# Altium PCB TinyHawk_PCB.PcbDoc (part 1 of 6) (continued)
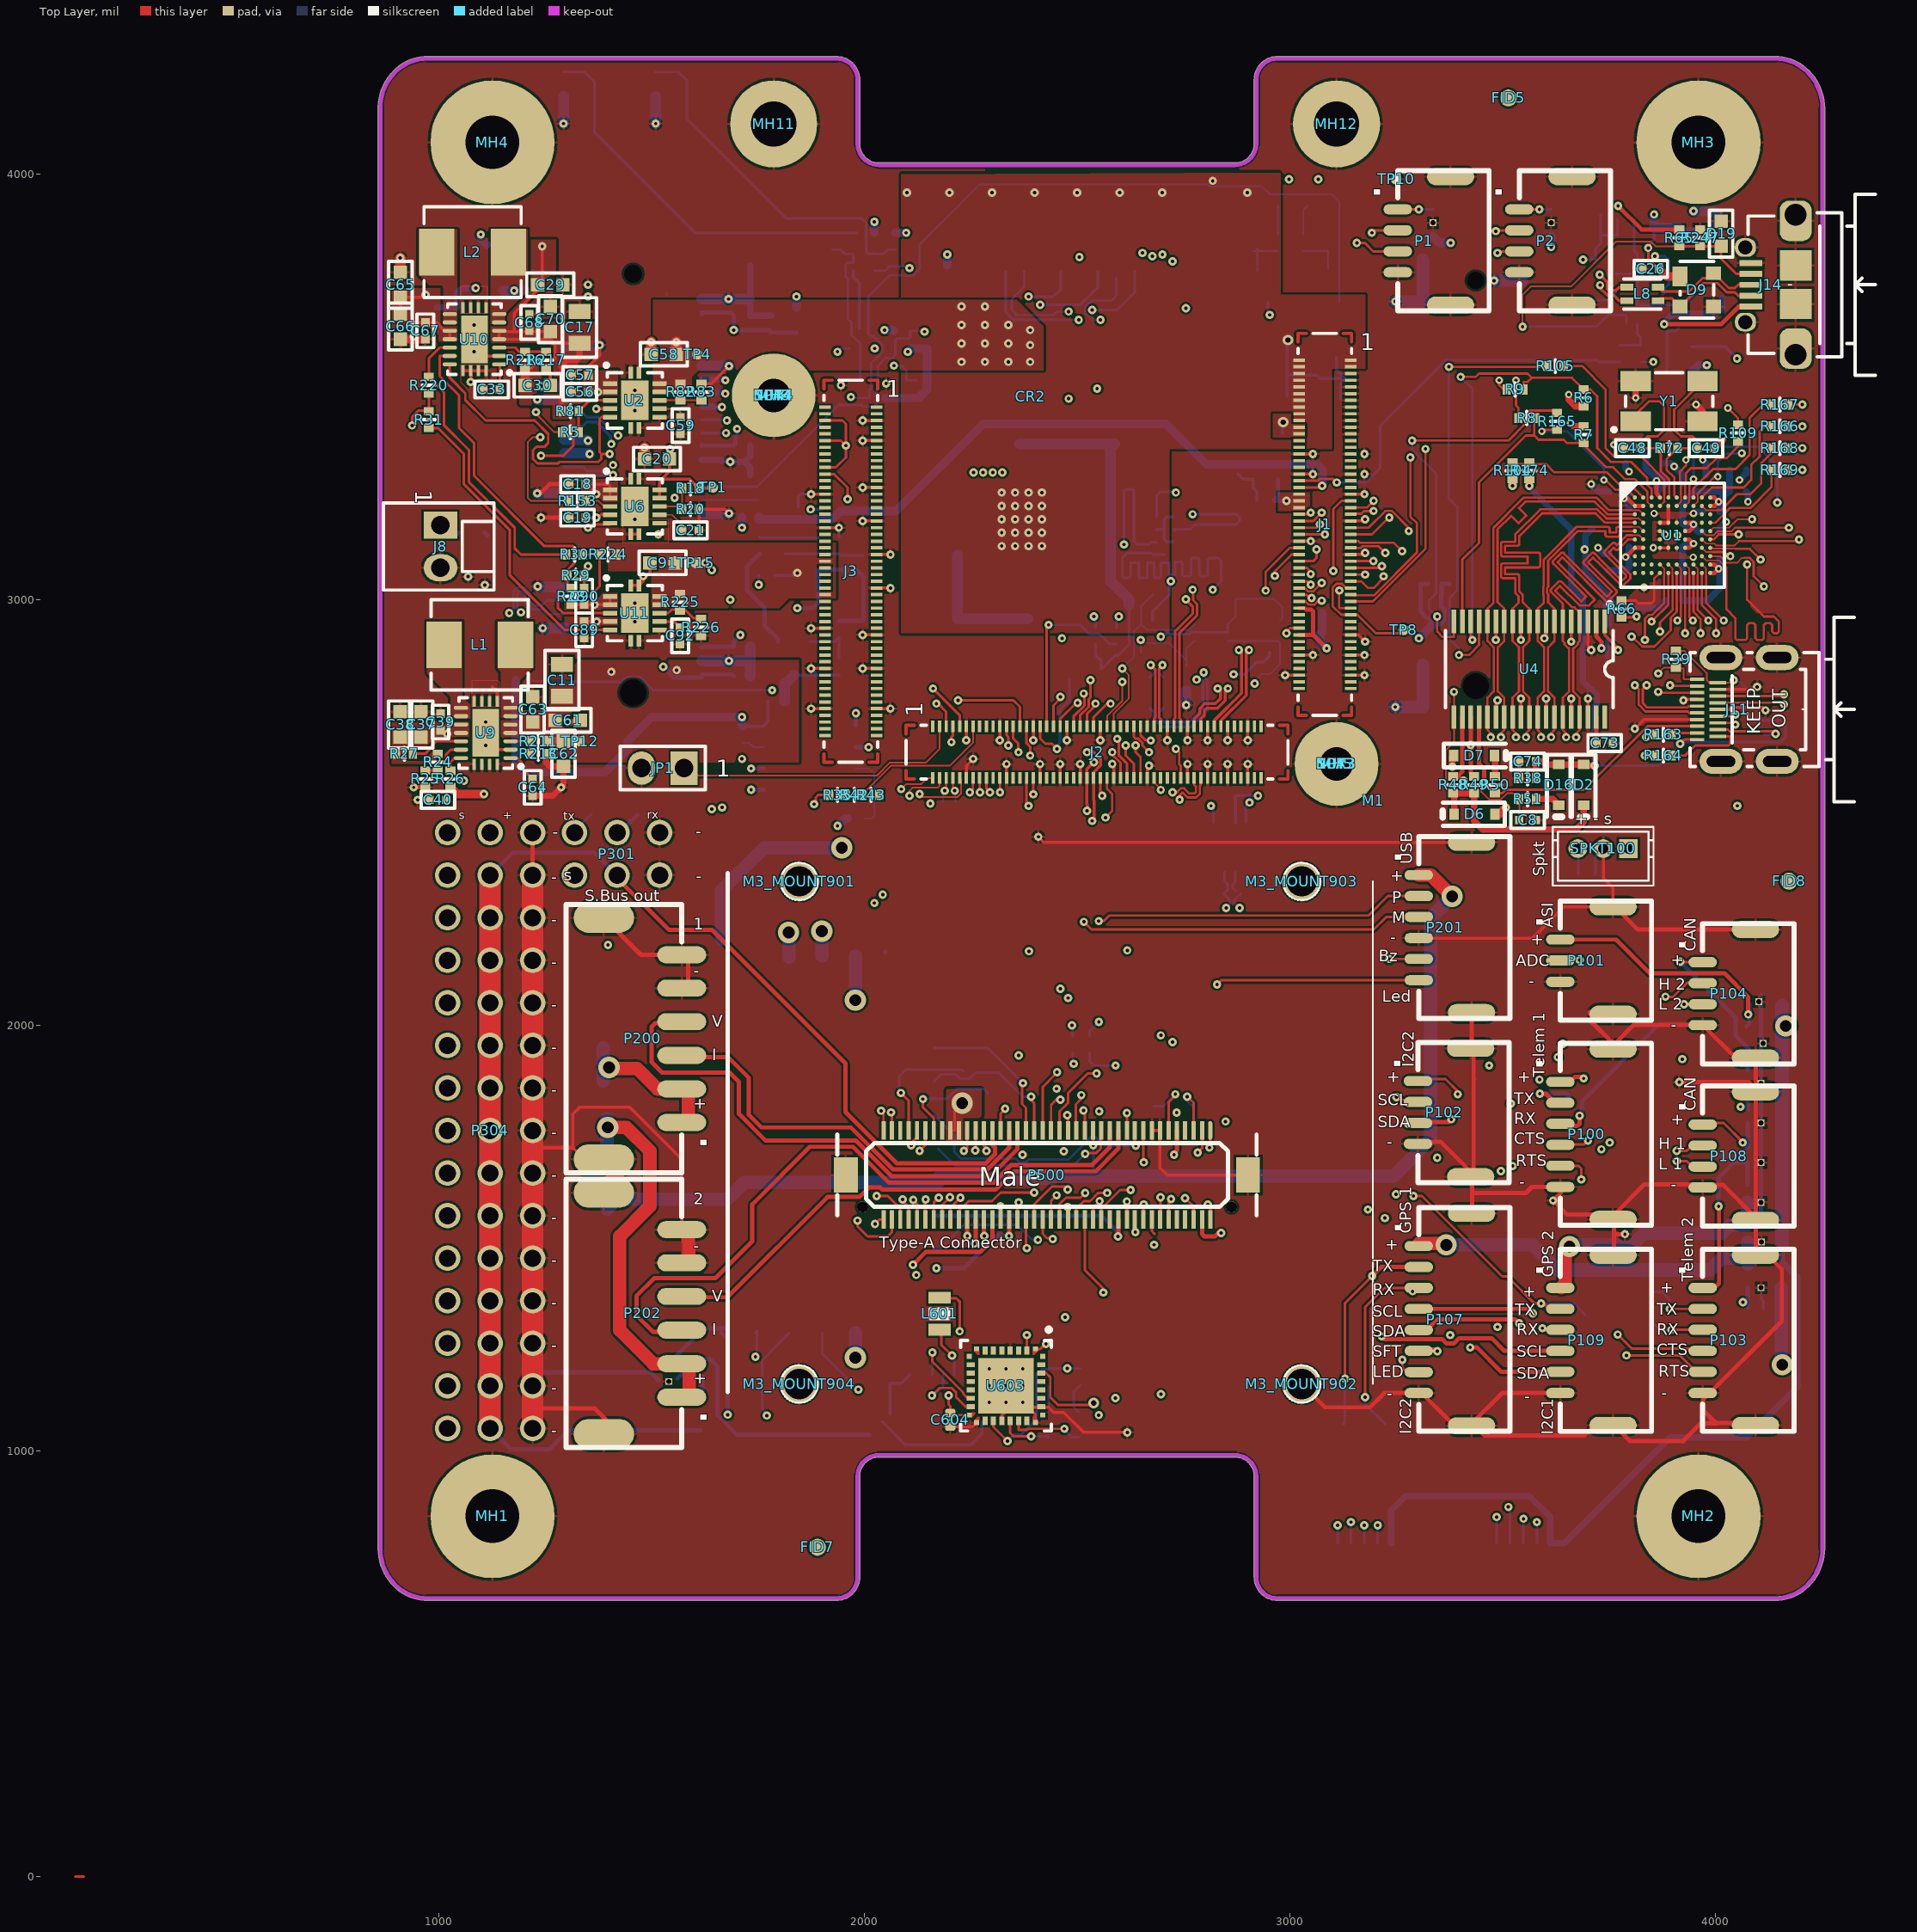
[diagram p0: Top Layer view]
## Components (designator, comment, footprint, x,y, rotation, side; value= is the part's Value field where it differs from the comment) (continued)
ADC_PR "PAD.04" PAD.04X.04 3692.91,2157.48 r0 bottom
C1 "22u" C0603 2964.57,3527.56 r180 bottom
C2 "22u" C0603 3159.45,3519.69 r0 bottom
C3 "22u" C0603 3070.87,3490.16 r270 bottom
C4 "100n" C0402 3139.76,3470.47 r0 bottom
C5 "100n" C0402 3090.55,3568.9 r180 bottom
C6 "100n" C0402 2974.41,3478.35 r180 bottom
C7 "100n" C0402 2974.41,3576.77 r180 bottom
C8 "100n" C0402 3559.06,2482.28 r0 top
C10 "10u" C0603 1112.2,3116.14 r270 bottom
C11 "47u" C0805 1289.37,2811.02 r90 top
C12 "100n" C0402 2962.6,3391.73 r180 bottom
C13 "100n" C0402 2942.91,3234.25 r180 bottom
C14 "100n" C0402 1771.65,3057.09 r180 bottom
C15 "100n" C0402 3090.55,2919.29 r0 bottom
C16 "22u" C0603 3106.14,2969.1 r0 bottom
C17 "47u" C0805 1330.71,3639.76 r90 top
C18 "1u" C0402 1325.79,3271.65 r180 top
C19 "4u7" C0402 1325.79,3192.91 r180 top
C20 "10u" C0603 1512.8,3330.71 r180 top
C21 "2700pF" C0402 1591.54,3163.39 r0 top
C26 "100n" C0402 3848.43,3777.56 r180 top
C29 "22u" C0603 1261.81,3740.16 r0 top
C30 "22u" C0603 1232.28,3503.94 r0 top
C33 "100n" C0402 1124.02,3494.09 r180 top
C37 "22u" C0603 958.35,2707.02 r90 top
C38 "22u" C0603 909.13,2707.02 r90 top
C39 "2u2" C0402 1003.94,2712.6 r90 top
C40 "2u2" C0402 997.72,2529.85 r180 top
C41 "100n" C0402 4053.15,3253.94 r180 bottom
C42 "100n" C0402 3903.54,3226.38 r0 bottom
C43 "100n" C0402 3903.54,3179.13 r0 bottom
C44 "100n" C0402 3978.35,3273.62 r270 bottom
C45 "220pF" C0402 3990.16,3206.69 r180 bottom
C46 "220pF" C0402 3990.16,3159.45 r0 bottom
C47 "220pF" C0402 3990.16,3096.46 r180 bottom
C48 "15pF" C0402 3805.12,3356.3 r180 top
C49 "15pF" C0402 3978.35,3356.3 r0 top
C50 "220pF" C0402 3903.54,3124.02 r180 bottom
C51 "220pF" C0402 3903.54,3273.62 r0 bottom
C52 "100n" C0402 3990.16,3049.21 r0 bottom
C53 "100n" C0402 3903.54,3084.65 r0 bottom
C54 "100n" C0402 3903.54,3045.28 r0 bottom
C55 "100n" C0402 3816.93,3068.9 r180 bottom
C56 "1u" C0402 1331.69,3488.19 r180 top
C57 "4u7" C0402 1331.69,3527.56 r180 top
C58 "10u" C0603 1528.54,3576.77 r180 top
C59 "2700pF" C0402 1567.91,3409.45 r270 top
C60 "10u" C0603 1171.26,3805.12 r90 bottom
C61 "22u" C0603 1302.83,2716.86 r0 top
C62 "22u" C0603 1292.99,2638.12 r270 top
C63 "22u" C0603 1220.47,2742.13 r90 top
C64 "100n" C0402 1220.47,2559.06 r270 top
C65 "22u" C0603 909.45,3740.16 r90 top
C66 "22u" C0603 909.45,3641.73 r270 top
C67 "2u2" C0402 968.5,3631.89 r270 top
C68 "2u2" C0402 1212.6,3651.57 r90 top
C69 "100n" C0402 1220.47,3795.28 r90 bottom
C70 "22u" C0603 1261.81,3659.45 r90 top
C71 "100n" C0402 3785.43,2844.49 r270 bottom
C72 "100n" C0402 3746.06,2844.49 r270 bottom
C73 "100n" C0402 3740.16,2663.39 r0 top
C74 "100n" C0402 3559.06,2620.08 r180 top
C79 "100n" C0402 1071.9,3118.11 r270 bottom
C89 "1u" C0402 1341.54,2929.13 r270 top
C90 "4u7" C0402 1341.54,3007.87 r90 top
C91 "10u" C0603 1525.59,3086.61 r180 top
C92 "2700pF" C0402 1566.93,2915.35 r270 top
C106 "22u" C0805 4015.75,3746.06 r90 bottom
C158 "100n" C0402 2194.88,3765.75 r270 bottom
C171 "100n" C0402 2068.9,3651.57 r90 bottom
C176 "100n" C0402 2007.87,3637.8 r180 bottom
C177 "100n" C0402 3816.93,3124.02 r180 bottom
C183 "220pF" C0402 3816.93,3214.57 r0 bottom
C184 "220pF" C0402 3816.93,3261.81 r0 bottom
C185 "10u" C0603 3773.62,3013.78 r0 bottom
C187 "100n" C0402 3816.93,3167.32 r180 bottom
C188 "100n" C0402 3750,3234.25 r270 bottom
C190 "100n" C0402 3856.3,3320.87 r180 bottom
C198 "100n" C0402 1974.41,3793.31 r270 bottom
C200 "100n" C0402 2072.83,3763.78 r270 bottom
C203 "100n" C0402 1793.31,2761.81 r0 bottom
C230 "100n" C0402 3765.75,3785.43 r270 bottom
C231 "22u" C0603 2942.91,3283.46 r180 bottom
C232 "22u" C0603 1874.17,3217.91 r180 bottom
C257 "330u" C2917 1053.15,3559.06 r180 bottom
C258 "330u" C2917 1053.15,3342.52 r180 bottom
C259 "100n" C0402 1712.6,3667.32 r0 bottom
C260 "100n" C0402 1712.6,2889.76 r0 bottom
C261 "100n" C0402 1712.6,3362.2 r0 bottom
C262 "4u7" C0402 1781.5,3647.64 r90 bottom
C263 "4u7" C0402 1712.6,3785.43 r0 bottom
C264 "4u7" C0402 1712.6,2820.87 r0 bottom
C265 "100n" C0402 1712.6,3293.31 r0 bottom
C266 "100n" C0402 1200.79,3706.69 r90 bottom
C267 "100n" C0402 1151.57,3706.69 r90 bottom
C268 "100n" C0402 1712.6,3736.22 r0 bottom
C381 "22u" C0603 2440.94,3027.56 r0 bottom
C604 "0u1" 0402-CAP 2202,1073 r270 top
C605 "0u1" 0402-CAP 2356,1054 r90 bottom
C3004 "0u1" 0402-CAP 2854.33,2535.43 r180 bottom
CR1 "Mini PCIe Card" "MINI_PCIE_FULL CARD" 1456.69,3864.17 r0 bottom locked
CR2 "Micro SD Card" Micro_SD_card 2390.75,3477.36 r180 top
D1 "SS10P4-M3/86A" "TO-277A (SMPC)" 2342.52,2842.13 r0 bottom
D2 "BAT54HT1G" SOD323 3690.94,2564.96 r90 top
D4 "PGB1010603MR" C0603 2756.5,2814.96 r270 bottom
D5 "Red" LED_0603 2972.44,3956.69 r90 bottom
D6 "BAT54HT1G" SOD323 3434.28,2496.06 r0 top
D7 "BAT54HT1G" SOD323 3433.07,2633.86 r180 top
D8 "PGB1010603MR" C0603 2873.42,3031.5 r90 bottom
D9 "BGX50AE6327" SOT143 3956.69,3728.35 r0 top
D14 "Green" LED_0603 3041.34,3956.69 r90 bottom
D16 "BAT54HT1G" SOD323 3631.89,2564.96 r90 top
D19 "PGB1010603MR" C0603 4013.78,3860.24 r90 top
D27 "RB751V-40-TP" SOD323 3718.5,3751.97 r90 bottom
D100 "DIODE-TVS" 0402-TVS 4094.49,1996.06 r0 bottom
D101 "DIODE-TVS" 0402-TVS 4093.46,1334.27 r0 bottom
D102 "DIODE-TVS" 0402-TVS 3697.79,2355.25 r0 bottom
D103 "DIODE-TVS" 0402-TVS 4093.46,1623.86 r0 bottom
D104 "DIODE-TVS" 0402-TVS 4093.46,1810.45 r0 bottom
D105 "DIODE-TVS" 0402-TVS 4094.49,1437.01 r0 bottom
D106 "DIODE-TVS" 0402-TVS 4094.49,1909.45 r0 bottom
D107 "DIODE-TVS" 0402-TVS 4093.46,1530.56 r0 bottom
D108 "DIODE-TVS" 0402-TVS 4093.46,1717.16 r0 bottom
D300 "MSS1P4-M3" MICROSMP 1615.63,1074 r270 bottom
D301 "DIODE-TVS" 0402-TVS 1619.63,1195 r90 bottom
D_RDY1 "PAD.04" PAD.04X.04 2680,1810 r180 bottom
FB3 "BLM15AX601SN1D" C0402 4053.15,3305.12 r180 bottom
FB4 "BLM15AX601SN1D" C0402 3903.54,2998.03 r180 bottom
FB5 "BLM15AX601SN1D" C0402 3750,3088.58 r270 bottom
FB6 "220R, 2.5A" C0603 3915.35,3535.43 r180 bottom
FB7 "220R, 2.5A" C0603 1112.2,3805.12 r270 bottom
FB8 "BLM15AX601SN1D" C0402 3730.31,3167.32 r180 bottom
FB9 "220R, 2.5A" C0603 1072.83,3687.01 r0 bottom
FB10 "220R, 2.5A" C0603 1840.55,3657.48 r90 bottom
FB11 "BLM15AX601SN1D" C0402 3789.37,3344.49 r90 bottom
FB12 "220R, 2.5A" C0603 3915.35,3594.49 r180 bottom
FB24 "MPZ1608S601A 600OHM/1A" C0603 3976.38,3864.17 r180 bottom
FID1 "FID_1MMC" FID_40X120D 4183.07,1068.9 r180 bottom
FID2 "FID_1MMC" FID_40X120D 1889.76,773.62 r90 bottom
FID3 "FID_1MMC" FID_40X120D 3513.78,4179.13 r90 bottom
FID4 "FID_1MMC" FID_40X120D 4173.23,2338.58 r90 bottom
FID5 "FID_1MMC" FID_40X120D 3513.78,4179.13 r90 top
FID6 "FID_1MMC" FID_40X120D 895.67,2555.12 r90 bottom
FID7 "FID_1MMC" FID_40X120D 1889.76,773.62 r90 top
FID8 "FID_1MMC" FID_40X120D 4173.23,2338.58 r90 top
J1 "DF40C-100DS-0.4V(51)" DF40C-100DS-0.4V(51)_V1.1 3082.28,3177.17 r0 top locked
J2 "DF40C-100DS-0.4V(51)" DF40C-100DS-0.4V(51)_V1.1 2546.85,2641.73 r90 top locked
J3 "DF40C-100DS-0.4V(51)" DF40C-100DS-0.4V(51)_V1.1 1968.11,3066.93 r0 top locked
J8 "0022112022" HDR_1x2_2.54MM_MOLEX_KK 1003.94,3175.2 r270 top
J11 "0467651001" Micro_HDMI 4212.6,2742.13 r90 top
J13 "MM60-52B1-E1-R650" MINI_PCIE_52PIN_CARD_CON 1456.69,2781.49 r0 bottom locked
J14 "USB MICRO AB" USB_Micro_AB 4188.98,3740.16 r180 top
J15 "693071010811" 693071010811 2563.98,3644.68 r180 bottom locked
J20 "MM60-EZH059-B5-R650" MINI_PCIE_52PIN_CARD_LATCH 3409.44,2667.32 r0 bottom
JP1 "HDR 1x2" HDR_1x2_2.54MM 1576.38,2604.33 r270 top
JP100 "HEADER_2MM_RA_SMD" HEADER_2MM_RA_2 3968.46,1962.45 r90 bottom
JP400 "FIDUCIAL1.5X3" FIDUCIAL-1.5X3 2251.97,2236.22 r180 bottom
JP401 "FIDUCIAL1.5X3" FIDUCIAL-1.5X3 2814.96,1324.8 r90 bottom
L1 "1u5" IHLP_204MILX216MIL 1096.14,2894.02 r0 top
L2 "1u5" IHLP_204MILX216MIL 1079.23,3816.93 r0 top
L4 "Kyocera KNH16C104DA5TS EMI filter" KYOCERA-KNH16-DA 3336.61,3885.83 r90 bottom
L6 "ACM2012-900-2P-T002" ACM2012 2687.01,2781.5 r90 bottom
L7 "Kyocera KNH16C104DA5TS EMI filter" KYOCERA-KNH16-DA 3614.17,3885.83 r90 bottom
L8 "ACM2012-900-2P-T002" ACM2012 3828.74,3718.5 r0 top
L100 "Kyocera KNH16C104DA5TS EMI filter" KYOCERA-KNH16-DA 4102.78,2055.45 r180 bottom
L101 "Kyocera KNH16C104DA5TS EMI filter" KYOCERA-KNH16-DA 4107.78,1383.27 r180 bottom
L102 "Kyocera KNH16C104DA5TS EMI filter" KYOCERA-KNH16-DA 4107.78,1677.25 r180 bottom
L103 "Kyocera KNH16C104DA5TS EMI filter" KYOCERA-KNH16-DA 4107.78,1863.85 r180 bottom
L104 "Kyocera KNH16C104DA5TS EMI filter" KYOCERA-KNH16-DA 4108.69,1490.66 r180 bottom
L105 "Kyocera KNH16C104DA5TS EMI filter" KYOCERA-KNH16-DA 4112.78,1957.15 r180 bottom
L106 "Kyocera KNH16C104DA5TS EMI filter" KYOCERA-KNH16-DA 4107.78,1770.55 r180 bottom
L107 "Kyocera KNH16C104DA5TS EMI filter" KYOCERA-KNH16-DA 4107.78,1583.96 r180 bottom
L300 "Kyocera KNH16C104DA5TS EMI filter" KYOCERA-KNH16-DA 1540.63,1163 r90 bottom
L601 "" 0805-IND 2177,1322 r90 top
LED600 "BLUE" 0603-LED-BLUE 2503,1062 r90 bottom
LED601 "BLUE" 0603-LED-BLUE 2431,1061 r90 bottom
M1 "iMX6 TinyRex Module V1I1 3D" "iMX6 TinyRex Module 3D" 3196.46,2527.56 r90 top
M3_MOUNT901 "MOUNT-HOLE1.8MM" MOUNT-HOLE1.8 1847,2338 r0 top
M3_MOUNT902 "MOUNT-HOLE1.8MM" MOUNT-HOLE1.8 3028,1157 r0 top
M3_MOUNT903 "MOUNT-HOLE1.8MM" MOUNT-HOLE1.8 3028,2338 r0 top
M3_MOUNT904 "MOUNT-HOLE1.8MM" MOUNT-HOLE1.8 1847,1157 r0 top
MH1 "MH_7.4MMC_3.2MMD" MH_7.4MMD_3.2MMD 1125.98,846.46 r0 top
MH2 "MH_7.4MMC_3.2MMD" MH_7.4MMD_3.2MMD 3960.63,846.46 r0 top
MH3 "MH_7.4MMC_3.2MMD" MH_7.4MMD_3.2MMD 3960.63,4074.8 r0 top
MH4 "MH_7.4MMC_3.2MMD" MH_7.4MMD_3.2MMD 1125.98,4074.8 r0 top
MH5 "MH_5MMC_2MMD" MH_5MMD_2MMD 3109.84,2614.17 r90 top locked
MH6 "MH_5MMC_2MMD" MH_5MMD_2MMD 1787.01,3480.32 r90 top locked
MH11 "MH_5.2MMC_2.7MMD" MH_5.2MMD_2.7MMD 1787.01,4118.11 r0 top
MH12 "MH_5.2MMC_2.7MMD" MH_5.2MMD_2.7MMD 3109.84,4118.11 r0 top
NUT3 "M2" "NUT A4 SS M2" 3109.84,2614.21 r90 top
NUT4 "M2" "NUT A4 SS M2" 1787,3480.34 r90 top
P1 "CLICKMATE_1.25_4" CLICKMATE_V4 3468.5,3843.5 r270 top
P2 "CLICKMATE_1.25_4" CLICKMATE_V4 3753.94,3843.5 r270 top
P100 "CLICKMATE_1.25_6" CLICKMATE_V6 3850.39,1744.09 r270 top
P101 "CLICKMATE_1.25_3" CLICKMATE_V3 3850.39,2152.25 r270 top
P102 "CLICKMATE_1.25_4" CLICKMATE_V4 3515.75,1795.28 r270 top
P103 "CLICKMATE_1.25_6" CLICKMATE_V6 4185.04,1259.84 r270 top
P104 "CLICKMATE_1.25_4" CLICKMATE_V4 4185.04,2074.45 r270 top
P105 "JST_SUR_6" JST_SUR_H6 3159.45,704.72 r180 bottom
P106 "JST_SUR_6" JST_SUR_H6 3533.46,704.72 r180 bottom
P107 "CLICKMATE_1.25_8" CLICKMATE_V8 3517.72,1309.06 r270 top
P108 "CLICKMATE_1.25_4" CLICKMATE_V4 4185.04,1692.91 r270 top
P109 "CLICKMATE_1.25_6" CLICKMATE_V6 3850.39,1259.84 r270 top
P200 "CLICKMATE_2_6" CLICKMATE_V6_2MM 1299.21,1968.5 r90 top
P201 "CLICKMATE_1.25_6" CLICKMATE_V6 3517.72,2230 r270 top
P202 "CLICKMATE_2_6" CLICKMATE_V6_2MM 1299.21,1322.83 r90 top
P301 "con 2x6" TSW-103-07-G-D 1418.9,2452.76 r90 top
P304 "PH_2 Servo header" TSW-115-08-G-T-RA 1120.47,1752.76 r0 top
P500 "CON-DF17-80M" CON-DF17-80M 2429,1648 r0 top
PSM200 "Power Selection module" PSM 1770,1730 r270 bottom
Q1 "DMP2035U-7" SOT-23-3-123 3913.39,3677.17 r270 bottom
Q2 "DMP2035U-7" SOT-23-3-123 3856.3,3834.65 r90 bottom
Q3 "2N7002BKW,115" SC70_SOT323 2519.68,2811.02 r180 bottom
Q4 "2N7002BKW,115" SC70_SOT323 3090.55,3736.22 r90 bottom
Q5 "2N7002BKW,115" SC70_SOT323 2923.23,3736.22 r90 bottom
Q6 "2N7002BKS,115" SOT363 2951.85,2913.39 r270 bottom
Q7 "SI4425BDY-T1-E3" 8_SOIC_3.9MM 2108.27,3029.53 r0 bottom
Q8 "2N7002BKS,115" SOT363 2677.17,2913.39 r270 bottom
Q10 "MMBT3906,215" SOT-23-3-123 1852.36,3108.27 r180 bottom
R1 "10k" R0402 2706.69,3194.88 r180 bottom
R2 "10k" R0402 2706.69,3165.35 r0 bottom
R3 "10k" R0402 2706.69,3135.83 r180 bottom
R4 "10k" R0402 2726.38,3106.3 r180 bottom
R5 "0R" R0402 1309.06,3393.7 r180 top
R6 "4k99" R0402 3690.94,3474.41 r270 top
R7 "4k99" R0402 3690.94,3387.8 r90 top
R8 "0R" R0402 3557.09,3427.17 r0 top
R9 "0R" R0402 3529.53,3494.09 r0 top
R10 "10k" R0402 1712.6,3214.57 r270 bottom
R11 "10k" R0402 3746.06,2923.23 r90 bottom
R12 "47k" R0402 3375.98,3017.72 r90 bottom
R13 "47k" R0402 3326.77,3017.72 r90 bottom
R18 "2k1" R0402 1591.54,3261.81 r0 top
R20 "2k4" R0402 1591.54,3212.6 r180 top
R22 "0R" R0402 1751.97,3214.57 r270 bottom
R24 "10k" R0402 997.72,2618.43 r90 top
R25 "100k" R0402 968.19,2579.06 r90 top
R26 "10k" R0402 1027.24,2579.06 r270 top
R27 "10k" R0402 918.98,2638.12 r180 top
R28 "10k" R0402 1312.01,3007.87 r270 top
R29 "100k" R0402 1321.85,3057.09 r180 top
R30 "0R" R0402 1318.9,3106.3 r180 top
R31 "0R" R0402 976.38,3423.23 r270 top
R35 "22R" R0402 1937.01,2541.34 r0 top
R37 "10k" R0402 1200.79,2811.02 r180 bottom
R38 "100k" R0402 3559.06,2580.71 r0 top
R39 "0R" R0402 3907.48,2860.24 r270 top
R40 "47k" R0402 4074.8,2751.97 r270 bottom
R42 "22R" R0402 1976.38,2541.34 r180 top
R43 "22R" R0402 2015.75,2541.34 r0 top
R45 "10k" R0402 3710.63,3856.3 r0 bottom
R48 "47k" R0402 3383.86,2564.96 r270 top
R49 "47k" R0402 3433.07,2564.96 r270 top
R50 "27k" R0402 3482.28,2564.96 r270 top
R51 "1k" R0402 3559.06,2531.5 r0 top
R54 "3k3" R0402 2696.85,3011.81 r0 bottom
R55 "3k3" R0402 2923.23,3021.65 r90 bottom
R58 "0R" R0402 2775.59,2923.23 r270 bottom
R59 "0R" R0402 2854.33,2923.23 r90 bottom
R63 "0R" R0402 3710.63,3905.51 r0 bottom
R64 "10k" R0402 2108.27,3651.57 r270 bottom
R65 "10k" R0402 3915.35,3850.39 r90 top
R66 "33R" R0402 3779.53,2978.35 r90 top
R67 "1k" R0402 3726.38,3578.74 r270 bottom
R70 "3k3" R0402 2913.39,2824.8 r180 bottom
R72 "390k" R0402 3891.73,3356.3 r0 top
R81 "10k" R0402 1309.06,3442.91 r180 top
R82 "3k" R0402 1567.91,3488.19 r90 top
R83 "2k4" R0402 1617.13,3488.19 r270 top
R100 "1k, 1206, 0.5W" R1206 1822.83,2980.32 r0 bottom
R104 "0R" R0402 3523.62,3303.15 r90 top
R105 "0R" R0402 3624.02,3549.21 r0 top
R109 "0R" R0402 4053.15,3391.73 r270 top
R117 "10k" R0402 2029.53,3474.41 r0 bottom
R139 "0R" R0402 2592.52,2915.35 r270 bottom
R140 "10k" R0402 2003.94,3862.2 r0 bottom
R141 "33R" R0402 1925.2,3842.52 r90 bottom
R144 "240R" R0402 3090.55,3844.49 r270 bottom
R145 "240R" R0402 3041.34,3844.49 r270 bottom
R146 "240R" R0402 2972.44,3844.49 r270 bottom
R147 "10k" R0402 2072.83,3842.52 r90 bottom
R148 "240R" R0402 2923.23,3844.49 r270 bottom
R149 "33R" R0402 2023.62,3793.31 r90 bottom
R153 "0R" R0402 1325.79,3232.28 r180 top
R155 "0R" R0402 3824.8,3578.74 r270 bottom
R162 "0R" R0402 4094.49,2683.07 r180 bottom
R163 "0R" R0402 3877.95,2683.07 r180 top
R164 "0R" R0402 3877.95,2633.86 r180 top
R165 "0R" R0402 3627.95,3419.29 r270 top
R166 "22R" R0402 4151.57,3407.48 r0 top
R167 "22R" R0402 4151.57,3458.66 r0 top
R168 "22R" R0402 4151.57,3356.3 r0 top
R169 "22R" R0402 4151.57,3305.12 r0 top
R174 "0R" R0402 3562.99,3303.15 r90 top
R201 "10k" R0402 2543.31,2915.35 r90 bottom
R204 "10k" R0402 1714.57,2683.07 r270 bottom
R206 "10k" R0402 1980.32,2486.22 r180 bottom
R211 "1M02" R0402 1233.94,2667.65 r0 top
R213 "113k" R0402 1233.94,2638.12 r180 top
R214 "100k" R0402 3789.37,3893.7 r0 bottom
R216 "1M02" R0402 1202.76,3562.99 r270 top
R217 "182k" R0402 1251.97,3562.99 r90 top
R220 "0R" R0402 976.38,3503.94 r90 top
R224 "10k" R0402 1397.64,3106.3 r0 top
R225 "5k1" R0402 1566.93,2994.09 r90 top
R226 "2k4" R0402 1616.14,2935.04 r90 top
R247 "10k" R0402 3964.57,3850.39 r270 top
R292 "11k8" R0402 1940.94,2931.1 r90 bottom
R293 "10k" R0402 1753.94,3127.95 r90 bottom
R296 "10k5" R0402 1940.94,2842.52 r90 bottom
R301 "470k" R0402 1940.94,3127.95 r270 bottom
R304 "0R" R0402 3775.59,3578.74 r270 bottom
R501 "0R" R0402 2490.16,1954.72 r270 bottom
R502 "0R" R0402 2529.53,1954.72 r270 bottom
R607 "220R" 0402-RES 2507,1174 r90 bottom
R608 "220R" 0402-RES 2433,1172 r90 bottom
R3010 "120R" 0402-RES 2864.17,2309.06 r0 bottom
S1RX "PAD.04" PAD.04X.04 3742.79,1870.25 r0 bottom
S1TX "PAD.04" PAD.04X.04 3657.79,1830.25 r0 bottom
S2RX "PAD.04" PAD.04X.04 3848.43,1305.12 r0 bottom
S2TX "PAD.04" PAD.04X.04 3848.43,1374.02 r0 bottom
S3RX "PAD.04" PAD.04X.04 3224.41,1062.99 r0 bottom
S3TX "PAD.04" PAD.04X.04 3125.98,1062.99 r0 bottom
S4RX "PAD.04" PAD.04X.04 3692.91,1255.91 r180 bottom
S4TX "PAD.04" PAD.04X.04 3690.79,1328.25 r180 bottom
S5_RX "PAD.04" PAD.04X.04 1466.54,2505.91 r135 bottom
S5_TX "PAD.04" PAD.04X.04 1358.27,2505.91 r135 bottom
S600 "Reset" EVQP7J01K 1364.04,4211.61 r0 bottom
S601 "User" EVQP7J01K 1580.57,4211.61 r0 bottom
SCR3 "M2x8mm" "SCREW M2x8" 3109.85,2614.19 r90 top
SCR4 "M2x8mm" "SCREW M2x8" 1787,3480.38 r90 top
SPA3 "2.5/4.5x1.5mm" "SPACER 2.5/4.5X1.5MM" 3109.65,2614.53 r90 top
SPA4 "2.5/4.5x1.5mm" "SPACER 2.5/4.5X1.5MM" 1786.81,3480.67 r90 top
SPI!CS1 "PAD.04" PAD.04X.04 2772,1809 r0 bottom
SPI_MISO1 "PAD.04" PAD.04X.04 2291,1841 r0 bottom
SPI_MOSI1 "PAD.04" PAD.04X.04 2325,1780 r180 bottom
SPI_SCK1 "PAD.04" PAD.04X.04 2236,1903 r90 bottom
SPKT100 "CONN_SPEKTRUM_RX-TH" B3B-ZR 3736.79,2415.25 r180 top
TP1 "TP_25MILC" TP_25C#1 1643.7,3263.78 r90 top
TP2 "TP_25MILC" TP_25C#1 2696.85,3253.94 r180 bottom
TP3 "TP_25MILC" TP_25C#1 2765.75,3165.35 r180 bottom
TP4 "TP_25MILC" TP_25C#1 1607.28,3576.77 r90 top
TP5 "TP_25MILC" TP_25C#1 2633.86,3173.23 r180 bottom
TP6 "TP_25MILC" TP_25C#1 2677.17,3106.3 r180 bottom
TP7 "TP_25MILC" TP_25C#1 1958.66,3332.68 r90 bottom
TP8 "TP_25MILC" TP_25C#2 3267.72,2929.13 r90 bottom
TP9 "TP_25MILC" TP_25C#1 2352.36,3027.56 r180 bottom
TP10 "TP_25MILC" TP_25C#1 3250,3988.19 r90 top
TP11 "TP_25MILC" TP_25C#1 2224.41,2525.59 r90 bottom
TP12 "TP_25MILC" TP_25C#1 1332.36,2667.65 r270 top
TP13 "TP_25MILC" TP_25C#3 984.09,3707.01 r90 top
TP14 "TP_25MILC" TP_25C#1 2185.04,2525.59 r90 bottom
TP15 "TP_25MILC" TP_25C#1 1604.33,3086.61 r270 top
U1 "ADV7610BBCZ-P" 76_CSP_BGA 3899.61,3151.57 r0 top
U2 "TPS74801DRCR" "DRC (S-PVSON-N10)" 1460.63,3468.5 r0 top
U4 "TPD12S520DBTR" TSSOP_38 3562.99,2836.61 r270 top
U6 "TPS74801DRCR" "DRC (S-PVSON-N10)" 1460.71,3219.25 r0 top
U8 "SST25VF016B-75-4I-QAF-ND" WSON8_6X5MM 1872.05,2628.54 r180 bottom
U9 "TPS63020DSJR" "DSJ (R-PVSON-N14)" 1110.24,2687.01 r180 top
U10 "TPS63020DSJR" "DSJ (R-PVSON-N14)" 1083.66,3612.2 r180 top
U11 "TPS74801DRCR" "DRC (S-PVSON-N10)" 1460.63,2968.5 r0 top
U16 "M74VHC1GT126DF1G" SC70_5 3791.34,3685.04 r90 bottom
U20 "SN74LVC1G08DCKR" SC70_5 2098.43,3553.15 r90 bottom
U21 "SN74LVC1G08DCKR" SC70_5 1990.16,3553.15 r90 bottom
U27 "TL431AQDBZR" SOT-23-3-123 1834.65,2862.2 r270 bottom
U603 "FT232RQ-Reel" PQFN5X5-32_V 2333,1153 r270 top
U3004 "3.3-V CAN TRANSCEIVER" SOT23-8 2820.87,2476.35 r270 bottom
USB600 "MICRO USB B, BOTTOM MOUNT" MOLEX-47346-0001 2159,1068 r90 bottom
Y1 "28.63636MHz" ABM3B 3891.73,3466.54 r0 top

## Footprints (in the part's own frame and the unit in brackets; to place one, negate y for a bottom-side part, rotate by r counter-clockwise, add the part's x,y. Pads: shape width x height; smd on the part's side, far side on the other; paste and mask are expansions set on the pad)
8_SOIC_3.9MM [mm]
  rect 1.2x0.58 smd: 1(-2.8,1.905) 2(-2.8,0.635) 3(-2.8,-0.635) 4(-2.8,-1.905) 5(2.8,-1.905) 6(2.8,-0.635) 7(2.8,0.635) 8(2.8,1.905)
  silkscreen extent -1.91,-2.54 1.91,2.54, body extent -3,-2.45 3,2.45, height 1.75
76_CSP_BGA [mm] "Creator MM"
  round 0.25 smd mask+0.05: A1(-2.25,2.25) A2(-1.75,2.25) A3(-1.25,2.25) A4(-0.75,2.25) A5(-0.25,2.25) A6(0.25,2.25) A7(0.75,2.25) A8(1.25,2.25) A9(1.75,2.25) A10(2.25,2.25) B1(-2.25,1.75) B2(-1.75,1.75) B3(-1.25,1.75) B4(-0.75,1.75) B5(-0.25,1.75) B6(0.25,1.75) B7(0.75,1.75) B8(1.25,1.75) B9(1.75,1.75) B10(2.25,1.75) C1(-2.25,1.25) C2(-1.75,1.25) C9(1.75,1.25) C10(2.25,1.25) D1(-2.25,0.75) D2(-1.75,0.75) D4(-0.75,0.75) D5(-0.25,0.75) D6(0.25,0.75) D7(0.75,0.75) D9(1.75,0.75) D10(2.25,0.75) E1(-2.25,0.25) E2(-1.75,0.25) E4(-0.75,0.25) E7(0.75,0.25) E9(1.75,0.25) E10(2.25,0.25) F1(-2.25,-0.25) F2(-1.75,-0.25) F4(-0.75,-0.25) F7(0.75,-0.25) F9(1.75,-0.25) F10(2.25,-0.25) G1(-2.25,-0.75) G2(-1.75,-0.75) G4(-0.75,-0.75) G5(-0.25,-0.75) G6(0.25,-0.75) G7(0.75,-0.75) G9(1.75,-0.75) G10(2.25,-0.75) H1(-2.25,-1.25) H2(-1.75,-1.25) H9(1.75,-1.25) H10(2.25,-1.25) J1(-2.25,-1.75) J2(-1.75,-1.75) J3(-1.25,-1.75) J4(-0.75,-1.75) J5(-0.25,-1.75) J6(0.25,-1.75) J7(0.75,-1.75) J8(1.25,-1.75) J9(1.75,-1.75) J10(2.25,-1.75) K1(-2.25,-2.25) K2(-1.75,-2.25) K3(-1.25,-2.25) K4(-0.75,-2.25) K5(-0.25,-2.25) K6(0.25,-2.25) K7(0.75,-2.25) K8(1.25,-2.25) K9(1.75,-2.25) K10(2.25,-2.25)
  silkscreen extent -3.1,-3.1 3.1,3.1, body extent -3.1,-3.1 3.1,3.1, height 0.8
0402-CAP [mil]
  rrect50% 20x24 smd mask+0: P$1(-15.75,0) P$2(15.75,0)
  silkscreen extent 0,0 0,1, body extent -20,-10 20,10, height 20
0402-RES [mil] "0402-RES"
  rect 20x24 smd: P$1(-19.68,0) P$2(20,0)
  silkscreen extent -3,-12 3,12, body extent -20,-10 20,10, height 20
0402-TVS [mil] "0402-TVS"
  rect 20x24 smd: A(20,0) C(-19.68,0)
  silkscreen extent -10,-16 3,16, body extent -20,-10 20,10, height 20
0603-LED-BLUE [mil] "0603-LED_Blue"
  rect 24x36 smd: A(30,0) C(-29.53,0)
  silkscreen extent -9,-15 9,15, body extent -33,-18 33,18, height 35
0805-IND [mil]
  rect 28x52 smd: P$1(-37.4,0) P$2(38,0)
  silkscreen extent -12,-23 12,23
693071010811 [mm]
  rect 0.8x1.5 smd mask+0.09: 1(-1.815,3.225) 2(-0.715,2.825) 3(0.385,3.225) 4(1.485,3.425) 5(2.585,3.225) 6(3.685,3.425) 7(4.785,3.225) 8(5.885,3.225)
  rect 1.8x1.4 smd: 9(-0.625,-7.075) 10(5.075,-7.075)
  rect 1.5x1.9 smd: 11(6.775,6.075)
  rect 1.6x1.9 smd: 12(-6.675,7.075)
  silkscreen extent -7.07,-7.57 7.22,9.6, body extent -6.87,-7.46 7.13,7.75, height 1.83
ABM3B [mm] "Creator MM"
  rect 1.8x1.2 smd: 1(-2,-1.2) 2(2,-1.2) 3(2,1.2) 4(-2,1.2)
  silkscreen extent -3.4,-1.8 2.6,1.7, body extent -2.5,-1.6 2.5,1.6, height 1.12
ACM2012 [mm]
  rect 0.75x0.4 smd mask+0.076: 1(-0.925,0.4) 2(-0.925,-0.4) 3(0.925,-0.4) 4(0.925,0.4)
  silkscreen extent -1.1,-0.9 1.1,0.9, body extent -1.2,-0.7 1.2,0.7, height 1.3
B3B-ZR [mil]
  rect 44x44 hole 24: 1(-59.06,0)
  round 44 hole 24: 2(0,0) 3(60,0)
  silkscreen extent -118,-51 119,87
C0402 [mm]
  rect 0.5x0.5 smd: 1(-0.5,0) 2(0.5,0)
  silkscreen extent -1,-0.5 1,0.5, body extent -0.5,-0.25 0.5,0.25, height 0.56
C0603 [mm]
  rect 0.8x0.8 smd: 1(-0.75,0) 2(0.75,0)
  silkscreen extent -1.4,-0.7 1.4,0.7, body extent -0.8,-0.42 0.8,0.44, height 0.95
C0805 [mm]
  rect 0.9x1.3 smd: 1(-0.95,0) 2(0.95,0)
  silkscreen extent -1.78,-1.02 1.78,1.02, body extent -1,-0.6 1,0.6, height 1.5
C2917 [mm] "Creator MM. Footprint density lvl B"
  rect 2.37x2.43 smd: 1(-3.12,0) 2(3.12,0)
  silkscreen extent -4.64,-2.65 4.65,2.65, body extent -3.8,-2.3 3.8,2.3, height 3.1
CLICKMATE_V3 [mil] "5023821470"
  rrect100% 24x67 smd: 1(-49.21,-214.57) 2(0,-214.57) 3(50,-214.57)
  rrect100% 40x111 smd: GND(-125.98,-90.55) GND(126,-90.55)
  silkscreen extent -140,-215 140,0, body extent -140,-237 140,-3, height 179
CLICKMATE_V4 [mil] "5023820470"
  rrect100% 24x67 smd: 1(-73.82,-214.57) 2(-24.61,-214.57) 3(25,-214.57) 4(74,-214.57)
  rrect100% 40x111 smd: GND(-150.59,-90.55) GND(151,-90.55)
  silkscreen extent -164,-215 165,0, body extent -164,-237 164,-3, height 179
CLICKMATE_V6 [mil]
  rrect100% 24x67 smd: 1(-123.03,-214.57) 2(-73.82,-214.57) 3(-24.61,-214.57) 4(25,-214.57) 5(74,-214.57) 6(124,-214.57)
  rrect100% 40x111 smd: GND(-199.8,-90.55) GND(200,-90.55)
  silkscreen extent -214,-215 214,0, body extent -214,-237 214,-3, height 179
CLICKMATE_V6_2MM [mil]
  rrect100% 40x115 smd: 1(-196.85,-271.65) 2(-118.11,-271.65) 3(-39.37,-271.65) 4(40,-271.65) 5(119,-271.65) 6(197,-271.65)
  rrect100% 71x142 smd: GND(-283.46,-88.58) GND(284,-88.58)
  silkscreen extent -315,-272 315,0, body extent -315,-303 315,0, height 295
CLICKMATE_V8 [mil]
  rrect100% 24x67 smd: 1(-172.24,-214.57) 2(-123.03,-214.57) 3(-73.82,-214.57) 4(-24.61,-214.57) 5(25,-214.57) 6(74,-214.57) 7(124,-214.57) 8(173,-214.57)
  rrect100% 40x111 smd: GND(-249.02,-90.55) GND(250,-90.55)
  silkscreen extent -263,-215 263,0, body extent -263,-237 263,-3, height 179
CON-DF17-80M [mil]
  rrect100% 10x44 smd: 1(384,105)
  rect 10x44 smd: 2(384,-104.33) 3(365,105) 4(365,-104.33) 5(345,105) 6(345,-104.33) 7(325,105) 8(325,-104.33) 9(306,105) 10(306,-104.33) 11(286,105) 12(286,-104.33) 13(266,105) 14(266,-104.33) 15(247,105) 16(247,-104.33) 17(227,105) 18(227,-104.33) 19(207,105) 20(207,-104.33) 21(188,105) 22(188,-104.33) 23(168,105) 24(168,-104.33) 25(148,105) 26(148,-104.33) 27(128,105) 28(128,-104.33) 29(109,105) 30(109,-104.33) 31(89,105) 32(89,-104.33) 33(69,105) 34(69,-104.33) 35(50,105) 36(50,-104.33) 37(30,105) 38(30,-104.33) 39(10,105) 40(10,-104.33) 41(-9.84,105) 42(-9.84,-104.33) 43(-29.53,105) 44(-29.53,-104.33) 45(-49.21,105) 46(-49.21,-104.33) 47(-68.9,105) 48(-68.9,-104.33) 49(-88.58,105) 50(-88.58,-104.33) 51(-108.27,105) 52(-108.27,-104.33) 53(-127.95,105) 54(-127.95,-104.33) 55(-147.64,105) 56(-147.64,-104.33) 57(-167.32,105) 58(-167.32,-104.33) 59(-187.01,105) 60(-187.01,-104.33) 61(-206.69,105) 62(-206.69,-104.33) 63(-226.38,105) 64(-226.38,-104.33) 65(-246.06,105) 66(-246.06,-104.33) 67(-265.75,105) 68(-265.75,-104.33) 69(-285.43,105) 70(-285.43,-104.33) 71(-305.12,105) 72(-305.12,-104.33) 73(-324.8,105) 74(-324.8,-104.33) 75(-344.49,105) 76(-344.49,-104.33) 77(-364.17,105) 78(-364.17,-104.33) 79(-383.86,105) 80(-383.86,-104.33)
  rect 56x83 smd: GND(-472.44,0) GND(473,0)
  round 26 hole 26 unplated: hole-1(-433.07,-74.8) hole-2(434,-74.8)
  silkscreen extent -492,-94 493,95, body extent -492,-109 492,115, height 124
DF40C-100DS-0.4V(51)_V1.1 [mm] "Creator MM. Update: Replaced part of silkcreen by copper"
  rect 0.7x0.2 smd mask+0.03: 1(1.54,9.8) 2(-1.54,9.8) 3(1.54,9.4) 4(-1.54,9.4) 5(1.54,9) 6(-1.54,9) 7(1.54,8.6) 8(-1.54,8.6) 9(1.54,8.2) 10(-1.54,8.2) 11(1.54,7.8) 12(-1.54,7.8) 13(1.54,7.4) 14(-1.54,7.4) 15(1.54,7) 16(-1.54,7) 17(1.54,6.6) 18(-1.54,6.6) 19(1.54,6.2) 20(-1.54,6.2) 21(1.54,5.8) 22(-1.54,5.8) 23(1.54,5.4) 24(-1.54,5.4) 25(1.54,5) 26(-1.54,5) 27(1.54,4.6) 28(-1.54,4.6) 29(1.54,4.2) 30(-1.54,4.2) 31(1.54,3.8) 32(-1.54,3.8) 33(1.54,3.4) 34(-1.54,3.4) 35(1.54,3) 36(-1.54,3) 37(1.54,2.6) 38(-1.54,2.6) 39(1.54,2.2) 40(-1.54,2.2) 41(1.54,1.8) 42(-1.54,1.8) 43(1.54,1.4) 44(-1.54,1.4) 45(1.54,1) 46(-1.54,1) 47(1.54,0.6) 48(-1.54,0.6) 49(1.54,0.2) 50(-1.54,0.2) 51(1.54,-0.2) 52(-1.54,-0.2) 53(1.54,-0.6) 54(-1.54,-0.6) 55(1.54,-1) 56(-1.54,-1) 57(1.54,-1.4) 58(-1.54,-1.4) 59(1.54,-1.8) 60(-1.54,-1.8) 61(1.54,-2.2) 62(-1.54,-2.2) 63(1.54,-2.6) 64(-1.54,-2.6) 65(1.54,-3) 66(-1.54,-3) 67(1.54,-3.4) 68(-1.54,-3.4) 69(1.54,-3.8) 70(-1.54,-3.8) 71(1.54,-4.2) 72(-1.54,-4.2) 73(1.54,-4.6) 74(-1.54,-4.6) 75(1.54,-5) 76(-1.54,-5) 77(1.54,-5.4) 78(-1.54,-5.4) 79(1.54,-5.8) 80(-1.54,-5.8) 81(1.54,-6.2) 82(-1.54,-6.2) 83(1.54,-6.6) 84(-1.54,-6.6) 85(1.54,-7) 86(-1.54,-7) 87(1.54,-7.4) 88(-1.54,-7.4) 89(1.54,-7.8) 90(-1.54,-7.8) 91(1.54,-8.2) 92(-1.54,-8.2) 93(1.54,-8.6) 94(-1.54,-8.6) 95(1.54,-9) 96(-1.54,-9) 97(1.54,-9.4) 98(-1.54,-9.4) 99(1.54,-9.8) 100(-1.54,-9.8)
  Top Layer lines w0.2: -1.6,-10.9 -1.6,-11.4 -1.1,-11.4 ; -1.6,10.9 -1.6,11.4 -1.1,11.4 ; 1.1,-11.4 1.6,-11.4 1.6,-10.9 ; 1.1,11.4 1.6,11.4 1.6,10.9
  silkscreen extent -1.6,-11.4 1.6,11.4, body extent -1.69,-11.3 1.69,11.3, height 1.45
"DRC (S-PVSON-N10)" [mm] "Creator MM"
  rect 0.85x0.28 smd mask+0.025: 1(-1.475,1) 2(-1.475,0.5) 3(-1.475,0) 4(-1.475,-0.5) 5(-1.475,-1) 6(1.475,-1) 7(1.475,-0.5) 8(1.475,0) 9(1.475,0.5) 10(1.475,1)
  rect 1.65x2.35 smd paste-1.524 mask+0.025: 11(0,0)
  rect 0.28x0.7 smd mask+0.11: 12(-0.25,1.651) 13(0.25,1.651) 14(0.25,-1.651) 15(-0.25,-1.651)
  silkscreen extent -1.8,-1.65 1.65,2.2, body extent -1.65,-1.65 1.65,1.65, height 1
"DSJ (R-PVSON-N14)" [mm] "Creator MM"
  oval 0.85x0.24 smd mask+0.07: 1(-1.475,1.5) 2(-1.475,1) 3(-1.475,0.5) 4(-1.475,0) 5(-1.475,-0.5) 6(-1.475,-1) 7(-1.475,-1.5) 8(1.475,-1.5) 9(1.475,-1) 10(1.475,-0.5) 11(1.475,0) 12(1.475,0.5) 13(1.475,1) 14(1.475,1.5)
  rect 1.58x2.85 smd paste-10 mask+0.07: 15(0,0)
  rect 0.2x0.65 smd mask+0.07: 16(-0.69,1.875) 17(-0.23,1.875) 18(0.23,1.875) 19(0.69,1.875) 20(0.69,-1.875) 21(0.23,-1.875) 22(-0.23,-1.875) 23(-0.69,-1.875)
  silkscreen extent -2.2,-2.1 1.6,2.1, body extent -1.61,-2.11 1.6,2.1, height 1.04
EVQP7J01K [mil]
  rect 56x42 smd: A1(-70.87,29) A2(71,29) B3(-70.87,-28.54) B4(71,-28.54)
  silkscreen extent -83,-53 34,54, body extent -93,-83 93,57
FID_40X120D [mil]
  round 40 smd paste-40 mask+40: 1(0,0)
FIDUCIAL-1.5X3 [mil]
  rrect100% 60x60 smd paste-78.74: 1(0,0)
HDR_1x2_2.54MM [mm]
  rect 2x1.6 hole 1.1: 1(0,0)
  oval 2x1.6 hole 1.1: 2(0,-2.54)
  silkscreen extent -1.3,-3.81 1.3,1.27, body extent -1.2,-3.62 1.2,1.06, height 8.4
HDR_1x2_2.54MM_MOLEX_KK [mm] "Creator MM"
  rect 1.6x2 hole 1.1: 1(0,0)
  oval 1.6x2 hole 1.1: 2(2.54,0)
  silkscreen extent -1.33,-3.4 3.87,3.2, body extent -1.19,-3.28 3.73,3.07, height 10.69
HEADER_2MM_RA_2 [mil]
  rrect100% 50x119 smd: 1(-41.19,-31.46) 2(40.8,-35.39)
IHLP_204MILX216MIL [mm] "Creator MM"
  rect 2.115x2.79 smd: 1(-2.137,0) 2(2.138,0)
  silkscreen extent -2.9,-2.7 2.9,2.7, body extent -2.75,-2.6 2.75,2.6, height 3
"iMX6 TinyRex Module 3D" [mil] "For 1.5mm standoff mating. .Creator MM"
  body extent 0,0 1496,1496, height 199
JST_SUR_H6 [mm]
  rect 0.5x1 smd: 1(-2,2)
  rrect100% 0.5x1 smd: 2(-1.2,2) 3(-0.4,2) 4(0.4,2) 5(1.2,2) 6(2,2)
  rect 1.2x1.7 smd: GND(-3.3,0.05) GND(3.3,0.05)
  silkscreen extent -3.6,-0.4 3.6,2, body extent -3.5,-0.4 3.5,2.3, height 1.7
KYOCERA-KNH16-DA [mil] "KYOCERA-KNH16-DA"
  rect 16x16 smd: GND(0,-15.75) GND(0,16)
  rect 16x16 hole 12: GND(0,0)
  rect 24x24 smd: P$1(-31.5,0) P$2(32,0)
  silkscreen extent -31,-16 32,16, body extent -20,-10 20,10, height 14
LED_0603 [mm]
  rect 0.8x0.8 smd: 1(-0.8,0) 2(0.8,0)
  silkscreen extent -1.78,-0.76 1.52,0.76, body extent -0.85,-0.4 0.85,0.4, height 0.66
MH_5.2MMD_2.7MMD [mm] "Creator MM"
  round 5.2 / inner round 3.683 / far side round 5.2 hole 2.7: 1(0,0)
MH_5MMD_2MMD [mm]
  round 5 / inner round 3.683 / far side round 5 hole 2: 1(0,0)
MH_7.4MMD_3.2MMD [mm]
  round 7.4 / inner round 3.683 / far side round 7.4 hole 3.2 mask+0.025: 1(0,0)
Micro_HDMI [mm] "Creator MM"
  rect 0.2x0.85 smd mask+0.03: 1(1.8,6.475) 3(1.4,6.475) 5(1,6.475) 7(0.6,6.475) 9(0.2,6.475) 11(-0.2,6.475) 13(-0.6,6.475) 15(-1,6.475) 17(-1.4,6.475) 19(-1.8,6.475)
  rect 0.2x1 smd mask+0.03: 2(1.6,5.25) 4(1.2,5.25) 6(0.8,5.25) 8(0.4,5.25) 10(0,5.25) 12(-0.4,5.25) 14(-0.8,5.25) 16(-1.2,5.25) 18(-1.6,5.25)
  oval 1.5x2.55 hole 0.65 slot 1.7 at 90 deg: MTG1(3.1,5.06) MTG2(-3.1,5.06) MTG3(3.1,1.7) MTG4(-3.1,1.7)
  silkscreen extent -5.5,-2.9 5.5,6.9, body extent -3.25,-0.7 3.25,6.8, height 2.97
Micro_SD_card [mil] ".Creator MM"
  body extent -341,-541 93,50, height 72
MICROSMP [mil]
  rect 32x32 smd: ANODE(26,0)
  rect 79x44 smd: CATHODE(-49.21,0)
  silkscreen extent -67,-24 24,35
MINI_PCIE_52PIN_CARD_CON [mm] "Creator MM"
  rect 2x0.6 smd mask+0.05: 1(-4.1,-0.7) 2(4.1,-1.1) 3(-4.1,-1.5) 4(4.1,-1.9) 5(-4.1,-2.3) 6(4.1,-2.7) 7(-4.1,-3.1) 8(4.1,-3.5) 9(-4.1,-3.9) 10(4.1,-4.3) 11(-4.1,-4.7) 12(4.1,-5.1) 13(-4.1,-5.5) 14(4.1,-5.9) 15(-4.1,-6.3) 16(4.1,-6.7) 17(-4.1,-10.3) 18(4.1,-10.7) 19(-4.1,-11.1) 20(4.1,-11.5) 21(-4.1,-11.9) 22(4.1,-12.3) 23(-4.1,-12.7) 24(4.1,-13.1) 25(-4.1,-13.5) 26(4.1,-13.9) 27(-4.1,-14.3) 28(4.1,-14.7) 29(-4.1,-15.1) 30(4.1,-15.5) 31(-4.1,-15.9) 32(4.1,-16.3) 33(-4.1,-16.7) 34(4.1,-17.1) 35(-4.1,-17.5) 36(4.1,-17.9) 37(-4.1,-18.3) 38(4.1,-18.7) 39(-4.1,-19.1) 40(4.1,-19.5) 41(-4.1,-19.9) 42(4.1,-20.3) 43(-4.1,-20.7) 44(4.1,-21.1) 45(-4.1,-21.5) 46(4.1,-21.9) 47(-4.1,-22.3) 48(4.1,-22.7) 49(-4.1,-23.1) 50(4.1,-23.5) 51(-4.1,-23.9) 52(4.1,-24.3)
  rect 3.2x2.3 smd: 53(-3.5,2.15) 54(-3.5,-27.15)
  rrect70% 0x0 hole 1.6 unplated: 55(0,0)
  rrect70% 0x0 hole 1.1 unplated: 56(0,-25)
  silkscreen extent -5.1,-26.8 5.1,1.8, body extent -5,-27.35 5,2.35, height 5.95
MINI_PCIE_52PIN_CARD_LATCH [mm] "Creator MM"
  rect 2.7x1.2 smd: 1(-2.45,-2.05) 2(-2.45,-4.55) 4(-2.45,-26.25) 5(-2.45,-28.75)
  rect 1.9x1.5 smd: 3(3.45,-3.3) 6(3.45,-27.5)
  rrect70% 0x0 hole 1.55: 7(0.7,-3.3)
  rrect70% 0x0 hole 1.05: 8(0.7,-27.5)
  silkscreen extent -2.65,-29.9 4.65,-0.9, body extent -3.25,-29.9 4.65,-0.9, height 6.7
"MINI_PCIE_FULL CARD" [mil] ".Creator MM"
  body extent 0,0 2006,1181, height 272
MOLEX-47346-0001 [mil]
  rect 67x18 smd: D+(111,0) D-(111,26) GND(111,-51.18) ID(111,-25.59) VBUS(111,52)
  rect 75x94 smd: GND1(0,117) GND4(0,-116.14)
  rect 83x59 smd: GND2(91,99) GND3(91,-98.43)
  rect 75x47 smd: GND5(0,-32.97) GND6(0,33)
  silkscreen extent 52,-157 111,158, body extent -94,-157 120,157, height 107
MOUNT-HOLE1.8 [mil]
  round 87 hole 71: 1(0,0)
  silkscreen extent -44,-44 44,44
"NUT A4 SS M2" [mil] "Creator MM"
  body extent -91,-79 91,79, height 183
PAD.04X.04 [mil]
  rrect100% 40x40 smd paste-78.74: P$1(0,0)
  silkscreen extent -26,-26 26,26
PQFN5X5-32_V [mm] "QFN, 32-Leads, Body 5x5mm, Pitch 0.5mm, Thermal Pad 3.3x3.3mm, FTDI Recommended"
  rect 0.3x0.3 smd paste-0.15 mask-0.15: 1(-2.2,1.75) 8(-2.2,-1.75) 9(-1.75,-2.2) 16(1.75,-2.2) 17(2.2,-1.75) 24(2.2,1.75) 25(1.75,2.2) 32(-1.75,2.2)
  rect 0.5x0.3 smd paste-0.15 mask+0.06: 2(-2.1,1.25) 3(-2.1,0.75) 4(-2.1,0.25) 5(-2.1,-0.25) 6(-2.1,-0.75) 7(-2.1,-1.25) 18(2.1,-1.25) 19(2.1,-0.75) 20(2.1,-0.25) 21(2.1,0.25) 22(2.1,0.75) 23(2.1,1.25)
  rect 0.3x0.5 smd paste-0.15 mask+0.06: 10(-1.25,-2.1) 11(-0.75,-2.1) 12(-0.25,-2.1) 13(0.25,-2.1) 14(0.75,-2.1) 15(1.25,-2.1) 26(1.25,2.1) 27(0.75,2.1) 28(0.25,2.1) 29(-0.25,2.1) 30(-0.75,2.1) 31(-1.25,2.1)
  rect 3.3x3.3 smd paste-1.65 mask+0.06: 33(0,0)
  Top Layer region: 1.6,-1.85 1.6,-2.05 1.9,-2.05 1.7,-1.85
  Top Layer region: -2.05,1.6 -1.85,1.6 -1.85,1.7 -2.05,1.9
  Top Layer region: 2.05,1.6 1.85,1.6 1.85,1.7 2.05,1.9
  Top Layer region: 2.05,-1.6 1.85,-1.6 1.85,-1.7 2.05,-1.9
  Top Layer region: -2.05,-1.6 -1.85,-1.6 -1.85,-1.7 -2.05,-1.9
  silkscreen extent -3.47,-2.7 2.7,2.7, body extent -2.55,-2.55 2.55,2.55, height 1